# Altium PCB openservo_tessellated.PcbDoc (part 10 of 13) (continued)
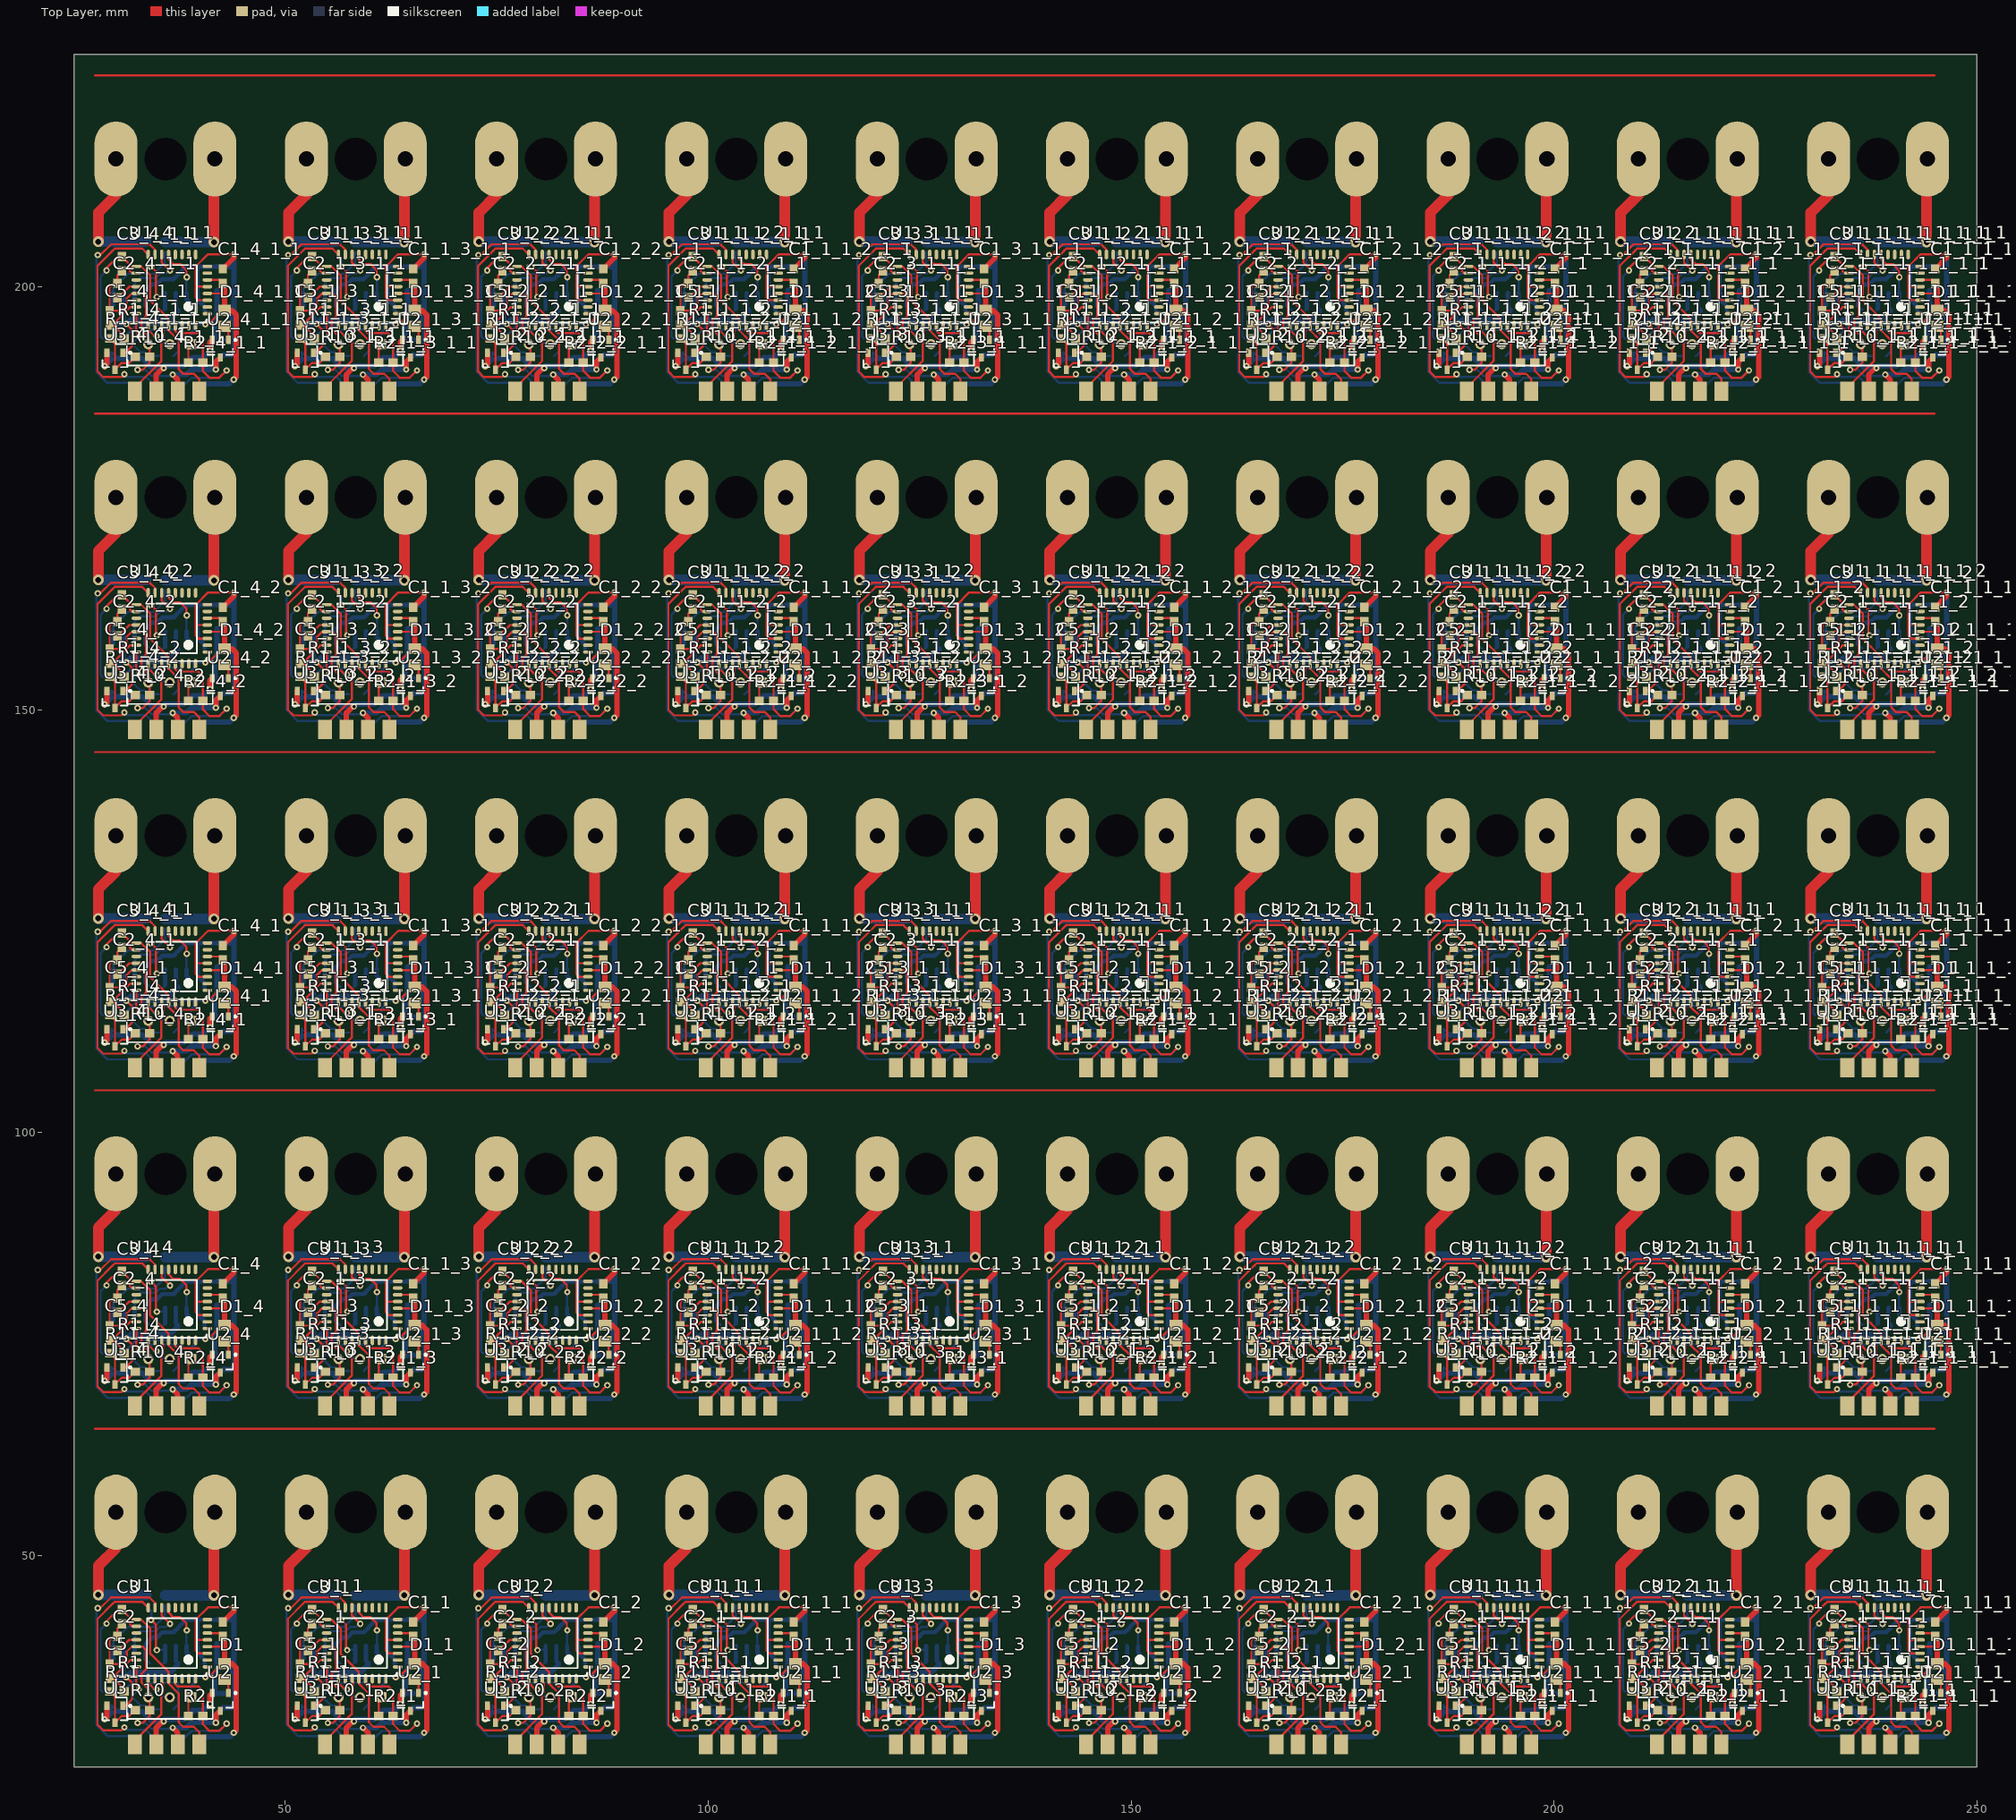
[diagram p0: Top Layer view]
## Nets (pads, with @x,y where several pads share a name; then routed paths per layer and width w, separated by ;. In a path a pad name is that pad's centre, name@x,y a point inside that pad or via, vN(x,y) a via of type N, cw(c..) or ccw(c..) an arc to the next point about the centre after c; other vN are vias at no path point) (continued)
76.496,75.916 ; 75.822,77.236 75.912,77.326 ; 75.822,115.98 v1(76.191,115.611) 76.496,115.916 ; 75.822,117.236 75.912,117.326 ; 75.822,155.98 v1(76.191,155.611) 76.496,155.916 ; 75.822,157.236 75.912,157.326 ; 75.822,195.98 v1(76.191,195.611) 76.496,195.916 ; 75.822,197.236 75.912,197.326 ; v1(75.963,29.667) 76.267,29.362 78.528,29.362 79.722,28.169 79.722,27.661 ; v1(75.963,69.667) 76.267,69.362 78.528,69.362 79.722,68.169 79.722,67.661 ; v1(75.963,109.667) 76.267,109.362 78.528,109.362 79.722,108.169 79.722,107.661 ; v1(75.963,149.667) 76.267,149.362 78.528,149.362 79.722,148.169 79.722,147.661 ; v1(75.963,189.667) 76.267,189.362 78.528,189.362 79.722,188.169 79.722,187.661 ; 77.182,37.326 77.272,37.236 ; 77.182,39.332 77.182,40.411 77.813,41.043 79.658,41.043 80.165,41.55 80.841,41.55 81.201,41.91 v1(81.347,41.91) ; 77.182,77.326 77.272,77.236 ; 77.182,79.332 77.182,80.411 77.813,81.043 79.658,81.043 80.165,81.55 80.841,81.55 81.201,81.91 v1(81.347,81.91) ; 77.182,117.326 77.272,117.236 ; 77.182,119.332 77.182,120.411 77.813,121.043 79.658,121.043 80.165,121.55 80.841,121.55 81.201,121.91 v1(81.347,121.91) ; 77.182,157.326 77.272,157.236 ; 77.182,159.332 77.182,160.411 77.813,161.043 79.658,161.043 80.165,161.55 80.841,161.55 81.201,161.91 v1(81.347,161.91) ; 77.182,197.326 77.272,197.236 ; 77.182,199.332 77.182,200.411 77.813,201.043 79.658,201.043 80.165,201.55 80.841,201.55 81.201,201.91 v1(81.347,201.91) ; v1(77.512,30.201) 78.426,30.201 79.15,29.477 v1@81.487,29.477 ; v1(77.512,70.201) 78.426,70.201 79.15,69.477 v1@81.487,69.477 ; v1(77.512,110.201) 78.426,110.201 79.15,109.477 v1@81.487,109.477 ; v1(77.512,150.201) 78.426,150.201 79.15,149.477 v1@81.487,149.477 ; v1(77.512,190.201) 78.426,190.201 79.15,189.477 v1@81.487,189.477 ; v1(77.639,34.163) 77.639,34.112 76.884,33.358 76.884,33.26 77.886,32.259 78.359,32.259 78.792,31.826 80.066,31.826 ; v1(77.639,74.163) 77.639,74.112 76.884,73.358 76.884,73.26 77.886,72.259 78.359,72.259 78.792,71.826 80.066,71.826 ; v1(77.639,114.163) 77.639,114.112 76.884,113.358 76.884,113.26 77.886,112.259 78.359,112.259 78.792,111.826 80.066,111.826 ; v1(77.639,154.163) 77.639,154.112 76.884,153.358 76.884,153.26 77.886,152.259 78.359,152.259 78.792,151.826 80.066,151.826 ; v1(77.639,194.163) 77.639,194.112 76.884,193.358 76.884,193.26 77.886,192.259 78.359,192.259 78.792,191.826 80.066,191.826 ; 78.452,37.756 78.972,37.236 ; 78.452,39.332 78.452,39.526 78.523,39.598 ; 78.452,44.132 79.138,43.446 79.138,42.408 v1(79.106,42.376) ; 78.452,77.756 78.972,77.236 ; 78.452,79.332 78.452,79.526 78.523,79.598 ; 78.452,84.132 79.138,83.446 79.138,82.408 v1(79.106,82.376) ; 78.452,117.756 78.972,117.236 ; 78.452,119.332 78.452,119.526 78.523,119.598 ; 78.452,124.132 79.138,123.446 79.138,122.408 v1(79.106,122.376) ; 78.452,157.756 78.972,157.236 ; 78.452,159.332 78.452,159.526 78.523,159.598 ; 78.452,164.132 79.138,163.446 79.138,162.408 v1(79.106,162.376) ; 78.452,197.756 78.972,197.236 ; 78.452,199.332 78.452,199.526 78.523,199.598 ; 78.452,204.132 79.138,203.446 79.138,202.408 v1(79.106,202.376) ; 78.757,33.35 78.757,34.467 79.248,34.958 81.86,34.958 81.992,35.09 82.085,35.09 82.352,34.823 82.352,32.412 81.766,31.826 ; 78.757,73.35 78.757,74.467 79.248,74.958 81.86,74.958 81.992,75.09 82.085,75.09 82.352,74.823 82.352,72.412 81.766,71.826 ; 78.757,113.35 78.757,114.467 79.248,114.958 81.86,114.958 81.992,115.09 82.085,115.09 82.352,114.823 82.352,112.412 81.766,111.826 ; 78.757,153.35 78.757,154.467 79.248,154.958 81.86,154.958 81.992,155.09 82.085,155.09 82.352,154.823 82.352,152.412 81.766,151.826 ; 78.757,193.35 78.757,194.467 79.248,194.958 81.86,194.958 81.992,195.09 82.085,195.09 82.352,194.823 82.352,192.412 81.766,191.826 ; v1(79.773,34.163) 79.78,34.163 79.81,34.133 79.81,34.176 80.636,33.35 81.297,33.35 ; v1(79.773,74.163) 79.78,74.163 79.81,74.133 79.81,74.176 80.636,73.35 81.297,73.35 ; v1(79.773,114.163) 79.78,114.163 79.81,114.133 79.81,114.176 80.636,113.35 81.297,113.35 ; v1(79.773,154.163) 79.78,154.163 79.81,154.133 79.81,154.176 80.636,153.35 81.297,153.35 ; v1(79.773,194.163) 79.78,194.163 79.81,194.133 79.81,194.176 80.636,193.35 81.297,193.35 ; v1(79.798,38.811) 79.671,38.811 79.671,38.9 79.633,38.862 80.763,38.862 ; v1(79.798,78.811) 79.671,78.811 79.671,78.9 79.633,78.862 80.763,78.862 ; v1(79.798,118.811) 79.671,118.811 79.671,118.9 79.633,118.862 80.763,118.862 ; v1(79.798,158.811) 79.671,158.811 79.671,158.9 79.633,158.862 80.763,158.862 ; v1(79.798,198.811) 79.671,198.811 79.671,198.9 79.633,198.862 80.763,198.862 ; 80.574,37.236 80.763,37.426 ; 80.574,77.236 80.763,77.426 ; 80.574,117.236 80.763,117.426 ; 80.574,157.236 80.763,157.426 ; 80.574,197.236 80.763,197.426 ; v1(80.611,30.378) 80.56,30.378 80.535,30.404 80.535,30.455 v1@80.725,30.645 ; v1(80.611,70.378) 80.56,70.378 80.535,70.404 80.535,70.455 v1@80.725,70.645 ; v1(80.611,110.378) 80.56,110.378 80.535,110.404 80.535,110.455 v1@80.725,110.645 ; v1(80.611,150.378) 80.56,150.378 80.535,150.404 80.535,150.455 v1@80.725,150.645 ; v1(80.611,190.378) 80.56,190.378 80.535,190.404 80.535,190.455 v1@80.725,190.645 ; 82.033,37.477 82.274,37.236 ; 82.033,77.477 82.274,77.236 ; 82.033,117.477 82.274,117.236 ; 82.033,157.477 82.274,157.236 ; 82.033,197.477 82.274,197.236 ; 82.262,27.661 82.294,27.661 83.882,29.248 87.177,29.248 v1(88.053,30.124) ; 82.262,67.661 82.294,67.661 83.882,69.248 87.177,69.248 v1(88.053,70.124) ; 82.262,107.661 82.294,107.661 83.882,109.248 87.177,109.248 v1(88.053,110.124) ; 82.262,147.661 82.294,147.661 83.882,149.248 87.177,149.248 v1(88.053,150.124) ; 82.262,187.661 82.294,187.661 83.882,189.248 87.177,189.248 v1(88.053,190.124) ; 83.303,39.307 v1@83.303,41.123 ; 83.303,79.307 v1@83.303,81.123 ; 83.303,119.307 v1@83.303,121.123 ; 83.303,159.307 v1@83.303,161.123 ; 83.303,199.307 v1@83.303,201.123 ; 83.506,37.453 83.723,37.236 ; 83.506,77.453 83.723,77.236 ; 83.506,117.453 83.723,117.236 ; 83.506,157.453 83.723,157.236 ; 83.506,197.453 83.723,197.236 ; 83.837,33.35 83.837,34.608 84.052,34.823 ; 83.837,73.35 83.837,74.608 84.052,74.823 ; 83.837,113.35 83.837,114.608 84.052,114.823 ; 83.837,153.35 83.837,154.608 84.052,154.823 ; 83.837,193.35 83.837,194.608 84.052,194.823 ; 84.153,34.595 84.153,35.584 ; 84.153,74.595 84.153,75.584 ; 84.153,114.595 84.153,115.584 ; 84.153,154.595 84.153,155.584 ; 84.153,194.595 84.153,195.584 ; 84.573,39.307 84.654,39.226 ; 84.573,42.37 84.599,42.396 ; 84.573,79.307 84.654,79.226 ; 84.573,82.37 84.599,82.396 ; 84.573,119.307 84.654,119.226 ; 84.573,122.37 84.599,122.396 ; 84.573,159.307 84.654,159.226 ; 84.573,162.37 84.599,162.396 ; 84.573,199.307 84.654,199.226 ; 84.573,202.37 84.599,202.396 ; 86.668,36.092 86.924,36.347 ; 86.668,76.092 86.924,76.347 ; 86.668,116.092 86.924,116.347 ; 86.668,156.092 86.924,156.347 ; 86.668,196.092 86.924,196.347 ; 88.837,42.396 88.917,42.316 ; 88.837,82.396 88.917,82.316 ; 88.837,122.396 88.917,122.316 ; 88.837,162.396 88.917,162.316 ; 88.837,202.396 88.917,202.316 ; v1(95.313,43.764) 95.135,43.586 95.135,29.972 96.456,28.651 99.047,28.651 99.682,28.016 99.682,27.661 ; v1(95.313,83.764) 95.135,83.586 95.135,69.972 96.456,68.651 99.047,68.651 99.682,68.016 99.682,67.661 ; v1(95.313,123.764) 95.135,123.586 95.135,109.972 96.456,108.651 99.047,108.651 99.682,108.016 99.682,107.661 ; v1(95.313,163.764) 95.135,163.586 95.135,149.972 96.456,148.651 99.047,148.651 99.682,148.016 99.682,147.661 ; v1(95.313,203.764) 95.135,203.586 95.135,189.972 96.456,188.651 99.047,188.651 99.682,188.016 99.682,187.661 ; v1(96.354,41.935) 95.658,41.239 95.658,34.123 95.881,33.899 97.996,33.899 98.034,33.937 98.364,33.937 99.893,35.466 104.15,35.466 104.281,35.598 v1@108.026,35.598 ; v1(96.354,81.935) 95.658,81.239 95.658,74.123 95.881,73.899 97.996,73.899 98.034,73.937 98.364,73.937 99.893,75.466 104.15,75.466 104.281,75.598 v1@108.026,75.598 ; v1(96.354,121.935) 95.658,121.239 95.658,114.123 95.881,113.899 97.996,113.899 98.034,113.937 98.364,113.937 99.893,115.466 104.15,115.466 104.281,115.598 v1@108.026,115.598 ; v1(96.354,161.935) 95.658,161.239 95.658,154.123 95.881,153.899 97.996,153.899 98.034,153.937 98.364,153.937 99.893,155.466 104.15,155.466 104.281,155.598 v1@108.026,155.598 ; v1(96.354,201.935) 95.658,201.239 95.658,194.123 95.881,193.899 97.996,193.899 98.034,193.937 98.364,193.937 99.893,195.466 104.15,195.466 104.281,195.598 v1@108.026,195.598 ; 96.622,37.236 97.142,37.756 ; 96.622,77.236 97.142,77.756 ; 96.622,117.236 97.142,117.756 ; 96.622,157.236 97.142,157.756 ; 96.622,197.236 97.142,197.756 ; 96.939,31.445 96.939,32.28 97.659,31.56 ; 96.939,35.08 97.469,35.611 ; 96.939,71.445 96.939,72.28 97.659,71.56 ; 96.939,75.08 97.469,75.611 ; 96.939,111.445 96.939,112.28 97.659,111.56 ; 96.939,115.08 97.469,115.611 ; 96.939,151.445 96.939,152.28 97.659,151.56 ; 96.939,155.08 97.469,155.611 ; 96.939,191.445 96.939,192.28 97.659,191.56 ; 96.939,195.08 97.469,195.611 ; 97.142,39.332 97.142,39.825 98.867,41.551 101.948,41.551 102.455,42.058 102.472,42.058 103.263,42.849 103.263,44.107 ; 97.142,79.332 97.142,79.825 98.867,81.551 101.948,81.551 102.455,82.058 102.472,82.058 103.263,82.849 103.263,84.107 ; 97.142,119.332 97.142,119.825 98.867,121.551 101.948,121.551 102.455,122.058 102.472,122.058 103.263,122.849 103.263,124.107 ; 97.142,159.332 97.142,159.825 98.867,161.551 101.948,161.551 102.455,162.058 102.472,162.058 103.263,162.849 103.263,164.107 ; 97.142,199.332 97.142,199.825 98.867,201.551 101.948,201.551 102.455,202.058 102.472,202.058 103.263,202.849 103.263,204.107 ; 98.322,35.98 v1(98.691,35.611) 98.996,35.916 ; 98.322,37.236 98.412,37.326 ; 98.322,75.98 v1(98.691,75.611) 98.996,75.916 ; 98.322,77.236 98.412,77.326 ; 98.322,115.98 v1(98.691,115.611) 98.996,115.916 ; 98.322,117.236 98.412,117.326 ; 98.322,155.98 v1(98.691,155.611) 98.996,155.916 ; 98.322,157.236 98.412,157.326 ; 98.322,195.98 v1(98.691,195.611) 98.996,195.916 ; 98.322,197.236 98.412,197.326 ; v1(98.463,29.667) 98.767,29.362 101.028,29.362 102.222,28.169 102.222,27.661 ; v1(98.463,69.667) 98.767,69.362 101.028,69.362 102.222,68.169 102.222,67.661 ; v1(98.463,109.667) 98.767,109.362 101.028,109.362 102.222,108.169 102.222,107.661 ; v1(98.463,149.667) 98.767,149.362 101.028,149.362 102.222,148.169 102.222,147.661 ; v1(98.463,189.667) 98.767,189.362 101.028,189.362 102.222,188.169 102.222,187.661 ; 99.682,37.326 99.772,37.236 ; 99.682,39.332 99.682,40.411 100.313,41.043 102.158,41.043 102.665,41.55 103.341,41.55 103.701,41.91 v1(103.847,41.91) ; 99.682,77.326 99.772,77.236 ; 99.682,79.332 99.682,80.411 100.313,81.043 102.158,81.043 102.665,81.55 103.341,81.55 103.701,81.91 v1(103.847,81.91) ; 99.682,117.326 99.772,117.236 ; 99.682,119.332 99.682,120.411 100.313,121.043 102.158,121.043 102.665,121.55 103.341,121.55 103.701,121.91 v1(103.847,121.91) ; 99.682,157.326 99.772,157.236 ; 99.682,159.332 99.682,160.411 100.313,161.043 102.158,161.043 102.665,161.55 103.341,161.55 103.701,161.91 v1(103.847,161.91) ; 99.682,197.326 99.772,197.236 ; 99.682,199.332 99.682,200.411 100.313,201.043 102.158,201.043 102.665,201.55 103.341,201.55 103.701,201.91 v1(103.847,201.91) ; v1(100.012,30.201) 100.926,30.201 101.65,29.477 v1@103.987,29.477 ; v1(100.012,70.201) 100.926,70.201 101.65,69.477 v1@103.987,69.477 ; v1(100.012,110.201) 100.926,110.201 101.65,109.477 v1@103.987,109.477 ; v1(100.012,150.201) 100.926,150.201 101.65,149.477 v1@103.987,149.477 ; v1(100.012,190.201) 100.926,190.201 101.65,189.477 v1@103.987,189.477 ; v1(100.139,34.163) 100.139,34.112 99.384,33.358 99.384,33.26 100.386,32.259 100.859,32.259 101.292,31.826 102.566,31.826 ; v1(100.139,74.163) 100.139,74.112 99.384,73.358 99.384,73.26 100.386,72.259 100.859,72.259 101.292,71.826 102.566,71.826 ; v1(100.139,114.163) 100.139,114.112 99.384,113.358 99.384,113.26 100.386,112.259 100.859,112.259 101.292,111.826 102.566,111.826 ; v1(100.139,154.163) 100.139,154.112 99.384,153.358 99.384,153.26 100.386,152.259 100.859,152.259 101.292,151.826 102.566,151.826 ; v1(100.139,194.163) 100.139,194.112 99.384,193.358 99.384,193.26 100.386,192.259 100.859,192.259 101.292,191.826 102.566,191.826 ; 100.952,37.756 101.472,37.236 ; 100.952,39.332 100.952,39.526 101.023,39.598 ; 100.952,44.132 101.638,43.446 101.638,42.408 v1(101.606,42.376) ; 100.952,77.756 101.472,77.236 ; 100.952,79.332 100.952,79.526 101.023,79.598 ; 100.952,84.132 101.638,83.446 101.638,82.408 v1(101.606,82.376) ; 100.952,117.756 101.472,117.236 ; 100.952,119.332 100.952,119.526 101.023,119.598 ; 100.952,124.132 101.638,123.446 101.638,122.408 v1(101.606,122.376) ; 100.952,157.756 101.472,157.236 ; 100.952,159.332 100.952,159.526 101.023,159.598 ; 100.952,164.132 101.638,163.446 101.638,162.408 v1(101.606,162.376) ; 100.952,197.756 101.472,197.236 ; 100.952,199.332 100.952,199.526 101.023,199.598 ; 100.952,204.132 101.638,203.446 101.638,202.408 v1(101.606,202.376) ; 101.257,33.35 101.257,34.467 101.748,34.958 104.36,34.958 104.492,35.09 104.585,35.09 104.852,34.823 104.852,32.412 104.266,31.826 ; 101.257,73.35 101.257,74.467 101.748,74.958 104.36,74.958 104.492,75.09 104.585,75.09 104.852,74.823 104.852,72.412 104.266,71.826 ; 101.257,113.35 101.257,114.467 101.748,114.958 104.36,114.958 104.492,115.09 104.585,115.09 104.852,114.823 104.852,112.412 104.266,111.826 ; 101.257,153.35 101.257,154.467 101.748,154.958 104.36,154.958 104.492,155.09 104.585,155.09 104.852,154.823 104.852,152.412 104.266,151.826 ; 101.257,193.35 101.257,194.467 101.748,194.958 104.36,194.958 104.492,195.09 104.585,195.09 104.852,194.823 104.852,192.412 104.266,191.826 ; v1(102.273,34.163) 102.28,34.163 102.31,34.133 102.31,34.176 103.136,33.35 103.797,33.35 ; v1(102.273,74.163) 102.28,74.163 102.31,74.133 102.31,74.176 103.136,73.35 103.797,73.35 ; v1(102.273,114.163) 102.28,114.163 102.31,114.133 102.31,114.176 103.136,113.35 103.797,113.35 ; v1(102.273,154.163) 102.28,154.163 102.31,154.133 102.31,154.176 103.136,153.35 103.797,153.35 ; v1(102.273,194.163) 102.28,194.163 102.31,194.133 102.31,194.176 103.136,193.35 103.797,193.35 ; v1(102.298,38.811) 102.171,38.811 102.171,38.9 102.133,38.862 103.263,38.862 ; v1(102.298,78.811) 102.171,78.811 102.171,78.9 102.133,78.862 103.263,78.862 ; v1(102.298,118.811) 102.171,118.811 102.171,118.9 102.133,118.862 103.263,118.862 ; v1(102.298,158.811) 102.171,158.811 102.171,158.9 102.133,158.862 103.263,158.862 ; v1(102.298,198.811) 102.171,198.811 102.171,198.9 102.133,198.862 103.263,198.862 ; 103.074,37.236 103.263,37.426 ; 103.074,77.236 103.263,77.426 ; 103.074,117.236 103.263,117.426 ; 103.074,157.236 103.263,157.426 ; 103.074,197.236 103.263,197.426 ; v1(103.111,30.378) 103.06,30.378 103.035,30.404 103.035,30.455 v1@103.225,30.645 ; v1(103.111,70.378) 103.06,70.378 103.035,70.404 103.035,70.455 v1@103.225,70.645 ; v1(103.111,110.378) 103.06,110.378 103.035,110.404 103.035,110.455 v1@103.225,110.645 ; v1(103.111,150.378) 103.06,150.378 103.035,150.404 103.035,150.455 v1@103.225,150.645 ; v1(103.111,190.378) 103.06,190.378 103.035,190.404 103.035,190.455 v1@103.225,190.645 ; 104.533,37.477 104.774,37.236 ; 104.533,77.477 104.774,77.236 ; 104.533,117.477 104.774,117.236 ; 104.533,157.477 104.774,157.236 ; 104.533,197.477 104.774,197.236 ; 104.762,27.661 104.794,27.661 106.382,29.248 109.677,29.248 v1(110.553,30.124) ; 104.762,67.661 104.794,67.661 106.382,69.248 109.677,69.248 v1(110.553,70.124) ; 104.762,107.661 104.794,107.661 106.382,109.248 109.677,109.248 v1(110.553,110.124) ; 104.762,147.661 104.794,147.661 106.382,149.248 109.677,149.248 v1(110.553,150.124) ; 104.762,187.661 104.794,187.661 106.382,189.248 109.677,189.248 v1(110.553,190.124) ; 105.803,39.307 v1@105.803,41.123 ; 105.803,79.307 v1@105.803,81.123 ; 105.803,119.307 v1@105.803,121.123 ; 105.803,159.307 v1@105.803,161.123 ; 105.803,199.307 v1@105.803,201.123 ; 106.006,37.453 106.223,37.236 ; 106.006,77.453 106.223,77.236 ; 106.006,117.453 106.223,117.236 ; 106.006,157.453 106.223,157.236 ; 106.006,197.453 106.223,197.236 ; 106.337,33.35 106.337,34.608 106.552,34.823 ; 106.337,73.35 106.337,74.608 106.552,74.823 ; 106.337,113.35 106.337,114.608 106.552,114.823 ; 106.337,153.35 106.337,154.608 106.552,154.823 ; 106.337,193.35 106.337,194.608 106.552,194.823 ; 106.653,34.595 106.653,35.584 ; 106.653,74.595 106.653,75.584 ; 106.653,114.595 106.653,115.584 ; 106.653,154.595 106.653,155.584 ; 106.653,194.595 106.653,195.584 ; 107.073,39.307 107.154,39.226 ; 107.073,42.37 107.099,42.396 ; 107.073,79.307 107.154,79.226 ; 107.073,82.37 107.099,82.396 ; 107.073,119.307 107.154,119.226 ; 107.073,122.37 107.099,122.396 ; 107.073,159.307 107.154,159.226 ; 107.073,162.37 107.099,162.396 ; 107.073,199.307 107.154,199.226 ; 107.073,202.37 107.099,202.396 ; 109.168,36.092 109.424,36.347 ; 109.168,76.092 109.424,76.347 ; 109.168,116.092 109.424,116.347 ; 109.168,156.092 109.424,156.347 ; 109.168,196.092 109.424,196.347 ; 111.337,42.396 111.417,42.316 ; 111.337,82.396 111.417,82.316 ; 111.337,122.396 111.417,122.316 ; 111.337,162.396 111.417,162.316 ; 111.337,202.396 111.417,202.316 ; v1(117.813,43.764) 117.635,43.586 117.635,29.972 118.956,28.651 121.547,28.651 122.182,28.016 122.182,27.661 ; v1(117.813,83.764) 117.635,83.586 117.635,69.972 118.956,68.651 121.547,68.651 122.182,68.016 122.182,67.661 ; v1(117.813,123.764) 117.635,123.586 117.635,109.972 118.956,108.651 121.547,108.651 122.182,108.016 122.182,107.661 ; v1(117.813,163.764) 117.635,163.586 117.635,149.972 118.956,148.651 121.547,148.651 122.182,148.016 122.182,147.661 ; v1(117.813,203.764) 117.635,203.586 117.635,189.972 118.956,188.651 121.547,188.651 122.182,188.016 122.182,187.661 ; v1(118.854,41.935) 118.158,41.239 118.158,34.123 118.381,33.899 120.496,33.899 120.534,33.937 120.864,33.937 122.393,35.466 126.65,35.466 126.781,35.598 v1@130.526,35.598 ; v1(118.854,81.935) 118.158,81.239 118.158,74.123 118.381,73.899 120.496,73.899 120.534,73.937 120.864,73.937 122.393,75.466 126.65,75.466 126.781,75.598 v1@130.526,75.598 ; v1(118.854,121.935) 118.158,121.239 118.158,114.123 118.381,113.899 120.496,113.899 120.534,113.937 120.864,113.937 122.393,115.466 126.65,115.466 126.781,115.598 v1@130.526,115.598 ; v1(118.854,161.935) 118.158,161.239 118.158,154.123 118.381,153.899 120.496,153.899 120.534,153.937 120.864,153.937 122.393,155.466 126.65,155.466 126.781,155.598 v1@130.526,155.598 ; v1(118.854,201.935) 118.158,201.239 118.158,194.123 118.381,193.899 120.496,193.899 120.534,193.937 120.864,193.937 122.393,195.466 126.65,195.466 126.781,195.598 v1@130.526,195.598 ; 119.122,37.236 119.642,37.756 ; 119.122,77.236 119.642,77.756 ; 119.122,117.236 119.642,117.756 ; 119.122,157.236 119.642,157.756 ; 119.122,197.236 119.642,197.756 ; 119.439,31.445 119.439,32.28 120.159,31.56 ; 119.439,35.08 119.969,35.611 ; 119.439,71.445 119.439,72.28 120.159,71.56 ; 119.439,75.08 119.969,75.611 ; 119.439,111.445 119.439,112.28 120.159,111.56 ; 119.439,115.08 119.969,115.611 ; 119.439,151.445 119.439,152.28 120.159,151.56 ; 119.439,155.08 119.969,155.611 ; 119.439,191.445 119.439,192.28 120.159,191.56 ; 119.439,195.08 119.969,195.611 ; 119.642,39.332 119.642,39.825 121.367,41.551 124.448,41.551 124.955,42.058 124.972,42.058 125.763,42.849 125.763,44.107 ; 119.642,79.332 119.642,79.825 121.367,81.551 124.448,81.551 124.955,82.058 124.972,82.058 125.763,82.849 125.763,84.107 ; 119.642,119.332 119.642,119.825 121.367,121.551 124.448,121.551 124.955,122.058 124.972,122.058 125.763,122.849 125.763,124.107 ; 119.642,159.332 119.642,159.825 121.367,161.551 124.448,161.551 124.955,162.058 124.972,162.058 125.763,162.849 125.763,164.107 ; 119.642,199.332 119.642,199.825 121.367,201.551 124.448,201.551 124.955,202.058 124.972,202.058 125.763,202.849 125.763,204.107 ; 120.822,35.98 v1(121.191,35.611) 121.496,35.916 ; 120.822,37.236 120.912,37.326 ; 120.822,75.98 v1(121.191,75.611) 121.496,75.916 ; 120.822,77.236 120.912,77.326 ; 120.822,115.98 v1(121.191,115.611) 121.496,115.916 ; 120.822,117.236 120.912,117.326 ; 120.822,155.98 v1(121.191,155.611) 121.496,155.916 ; 120.822,157.236 120.912,157.326 ; 120.822,195.98 v1(121.191,195.611) 121.496,195.916 ; 120.822,197.236 120.912,197.326 ; v1(120.963,29.667) 121.267,29.362 123.528,29.362 124.722,28.169 124.722,27.661 ; v1(120.963,69.667) 121.267,69.362 123.528,69.362 124.722,68.169 124.722,67.661 ; v1(120.963,109.667) 121.267,109.362 123.528,109.362 124.722,108.169 124.722,107.661 ; v1(120.963,149.667) 121.267,149.362 123.528,149.362 124.722,148.169 124.722,147.661 ; v1(120.963,189.667) 121.267,189.362 123.528,189.362 124.722,188.169 124.722,187.661 ; 122.182,37.326 122.272,37.236 ; 122.182,39.332 122.182,40.411 122.813,41.043 124.658,41.043 125.165,41.55 125.841,41.55 126.201,41.91 v1(126.347,41.91) ; 122.182,77.326 122.272,77.236 ; 122.182,79.332 122.182,80.411 122.813,81.043 124.658,81.043 125.165,81.55 125.841,81.55 126.201,81.91 v1(126.347,81.91) ; 122.182,117.326 122.272,117.236 ; 122.182,119.332 122.182,120.411 122.813,121.043 124.658,121.043 125.165,121.55 125.841,121.55 126.201,121.91 v1(126.347,121.91) ; 122.182,157.326 122.272,157.236 ; 122.182,159.332 122.182,160.411 122.813,161.043 124.658,161.043 125.165,161.55 125.841,161.55 126.201,161.91 v1(126.347,161.91) ; 122.182,197.326 122.272,197.236 ; 122.182,199.332 122.182,200.411 122.813,201.043 124.658,201.043 125.165,201.55 125.841,201.55 126.201,201.91 v1(126.347,201.91) ; v1(122.512,30.201) 123.426,30.201 124.15,29.477 v1@126.487,29.477 ; v1(122.512,70.201) 123.426,70.201 124.15,69.477 v1@126.487,69.477 ; v1(122.512,110.201) 123.426,110.201 124.15,109.477 v1@126.487,109.477 ; v1(122.512,150.201) 123.426,150.201 124.15,149.477 v1@126.487,149.477 ; v1(122.512,190.201) 123.426,190.201 124.15,189.477 v1@126.487,189.477 ; v1(122.639,34.163) 122.639,34.112 121.884,33.358 121.884,33.26 122.886,32.259 123.359,32.259 123.792,31.826 125.066,31.826 ; v1(122.639,74.163) 122.639,74.112 121.884,73.358 121.884,73.26 122.886,72.259 123.359,72.259 123.792,71.826 125.066,71.826 ; v1(122.639,114.163) 122.639,114.112 121.884,113.358 121.884,113.26 122.886,112.259 123.359,112.259 123.792,111.826 125.066,111.826 ; v1(122.639,154.163) 122.639,154.112 121.884,153.358 121.884,153.26 122.886,152.259 123.359,152.259 123.792,151.826 125.066,151.826 ; v1(122.639,194.163) 122.639,194.112 121.884,193.358 121.884,193.26 122.886,192.259 123.359,192.259 123.792,191.826 125.066,191.826 ; 123.452,37.756 123.972,37.236 ; 123.452,39.332 123.452,39.526 123.523,39.598 ; 123.452,44.132 124.138,43.446 124.138,42.408 v1(124.106,42.376) ; 123.452,77.756 123.972,77.236 ; 123.452,79.332 123.452,79.526 123.523,79.598 ; 123.452,84.132 124.138,83.446 124.138,82.408 v1(124.106,82.376) ; 123.452,117.756 123.972,117.236 ; 123.452,119.332 123.452,119.526 123.523,119.598 ; 123.452,124.132 124.138,123.446 124.138,122.408 v1(124.106,122.376) ; 123.452,157.756 123.972,157.236 ; 123.452,159.332 123.452,159.526 123.523,159.598 ; 123.452,164.132 124.138,163.446 124.138,162.408 v1(124.106,162.376) ; 123.452,197.756 123.972,197.236 ; 123.452,199.332 123.452,199.526 123.523,199.598 ; 123.452,204.132 124.138,203.446 124.138,202.408 v1(124.106,202.376) ; 123.757,33.35 123.757,34.467 124.248,34.958 126.86,34.958 126.992,35.09 127.085,35.09 127.352,34.823 127.352,32.412 126.766,31.826 ; 123.757,73.35 123.757,74.467 124.248,74.958 126.86,74.958 126.992,75.09 127.085,75.09 127.352,74.823 127.352,72.412 126.766,71.826 ; 123.757,113.35 123.757,114.467 124.248,114.958 126.86,114.958 126.992,115.09 127.085,115.09 127.352,114.823 127.352,112.412 126.766,111.826 ; 123.757,153.35 123.757,154.467 124.248,154.958 126.86,154.958 126.992,155.09 127.085,155.09 127.352,154.823 127.352,152.412 126.766,151.826 ; 123.757,193.35 123.757,194.467 124.248,194.958 126.86,194.958 126.992,195.09 127.085,195.09 127.352,194.823 127.352,192.412 126.766,191.826 ; v1(124.773,34.163) 124.78,34.163 124.81,34.133 124.81,34.176 125.636,33.35 126.297,33.35 ; v1(124.773,74.163) 124.78,74.163 124.81,74.133 124.81,74.176 125.636,73.35 126.297,73.35 ; v1(124.773,114.163) 124.78,114.163 124.81,114.133 124.81,114.176 125.636,113.35 126.297,113.35 ; v1(124.773,154.163) 124.78,154.163 124.81,154.133 124.81,154.176 125.636,153.35 126.297,153.35 ; v1(124.773,194.163) 124.78,194.163 124.81,194.133 124.81,194.176 125.636,193.35 126.297,193.35 ; v1(124.798,38.811) 124.671,38.811 124.671,38.9 124.633,38.862 125.763,38.862 ; v1(124.798,78.811) 124.671,78.811 124.671,78.9 124.633,78.862 125.763,78.862 ; v1(124.798,118.811) 124.671,118.811 124.671,118.9 124.633,118.862 125.763,118.862 ; v1(124.798,158.811) 124.671,158.811 124.671,158.9 124.633,158.862 125.763,158.862 ; v1(124.798,198.811) 124.671,198.811 124.671,198.9 124.633,198.862 125.763,198.862 ; 125.574,37.236 125.763,37.426 ; 125.574,77.236 125.763,77.426 ; 125.574,117.236 125.763,117.426 ; 125.574,157.236 125.763,157.426 ; 125.574,197.236 125.763,197.426 ; v1(125.611,30.378) 125.56,30.378 125.535,30.404 125.535,30.455 v1@125.725,30.645 ; v1(125.611,70.378) 125.56,70.378 125.535,70.404 125.535,70.455 v1@125.725,70.645 ; v1(125.611,110.378) 125.56,110.378 125.535,110.404 125.535,110.455 v1@125.725,110.645 ; v1(125.611,150.378) 125.56,150.378 125.535,150.404 125.535,150.455 v1@125.725,150.645 ; v1(125.611,190.378) 125.56,190.378 125.535,190.404 125.535,190.455 v1@125.725,190.645 ; 127.033,37.477 127.274,37.236 ; 127.033,77.477 127.274,77.236 ; 127.033,117.477 127.274,117.236 ; 127.033,157.477 127.274,157.236 ; 127.033,197.477 127.274,197.236 ; 127.262,27.661 127.294,27.661 128.882,29.248 132.177,29.248 v1(133.053,30.124) ; 127.262,67.661 127.294,67.661 128.882,69.248 132.177,69.248 v1(133.053,70.124) ; 127.262,107.661 127.294,107.661 128.882,109.248 132.177,109.248 v1(133.053,110.124) ; 127.262,147.661 127.294,147.661 128.882,149.248 132.177,149.248 v1(133.053,150.124) ; 127.262,187.661 127.294,187.661 128.882,189.248 132.177,189.248 v1(133.053,190.124) ; 128.303,39.307 v1@128.303,41.123 ; 128.303,79.307 v1@128.303,81.123 ; 128.303,119.307 v1@128.303,121.123 ; 128.303,159.307 v1@128.303,161.123 ; 128.303,199.307 v1@128.303,201.123 ; 128.506,37.453 128.723,37.236 ; 128.506,77.453 128.723,77.236 ; 128.506,117.453 128.723,117.236 ; 128.506,157.453 128.723,157.236 ; 128.506,197.453 128.723,197.236 ; 128.837,33.35 128.837,34.608 129.052,34.823 ; 128.837,73.35 128.837,74.608 129.052,74.823 ; 128.837,113.35 128.837,114.608 129.052,114.823 ; 128.837,153.35 128.837,154.608 129.052,154.823 ; 128.837,193.35 128.837,194.608 129.052,194.823 ; 129.153,34.595 129.153,35.584 ; 129.153,74.595 129.153,75.584 ; 129.153,114.595 129.153,115.584 ; 129.153,154.595 129.153,155.584 ; 129.153,194.595 129.153,195.584 ; 129.573,39.307 129.654,39.226 ; 129.573,42.37 129.599,42.396 ; 129.573,79.307 129.654,79.226 ; 129.573,82.37 129.599,82.396 ; 129.573,119.307 129.654,119.226 ; 129.573,122.37 129.599,122.396 ; 129.573,159.307 129.654,159.226 ; 129.573,162.37 129.599,162.396 ; 129.573,199.307 129.654,199.226 ; 129.573,202.37 129.599,202.396 ; 131.668,36.092 131.924,36.347 ; 131.668,76.092 131.924,76.347 ; 131.668,116.092 131.924,116.347 ; 131.668,156.092 131.924,156.347 ; 131.668,196.092 131.924,196.347 ; 133.837,42.396 133.917,42.316 ; 133.837,82.396 133.917,82.316 ; 133.837,122.396 133.917,122.316 ; 133.837,162.396 133.917,162.316 ; 133.837,202.396 133.917,202.316 ; v1(140.313,43.764) 140.135,43.586 140.135,29.972 141.456,28.651 144.047,28.651 144.682,28.016 144.682,27.661 ; v1(140.313,83.764) 140.135,83.586 140.135,69.972 141.456,68.651 144.047,68.651 144.682,68.016 144.682,67.661 ; v1(140.313,123.764) 140.135,123.586 140.135,109.972 141.456,108.651 144.047,108.651 144.682,108.016 144.682,107.661 ; v1(140.313,163.764) 140.135,163.586 140.135,149.972 141.456,148.651 144.047,148.651 144.682,148.016 144.682,147.661 ; v1(140.313,203.764) 140.135,203.586 140.135,189.972 141.456,188.651 144.047,188.651 144.682,188.016 144.682,187.661